# KiCad board BeavisUltrasoundPnp.kicad_pcb (continued)
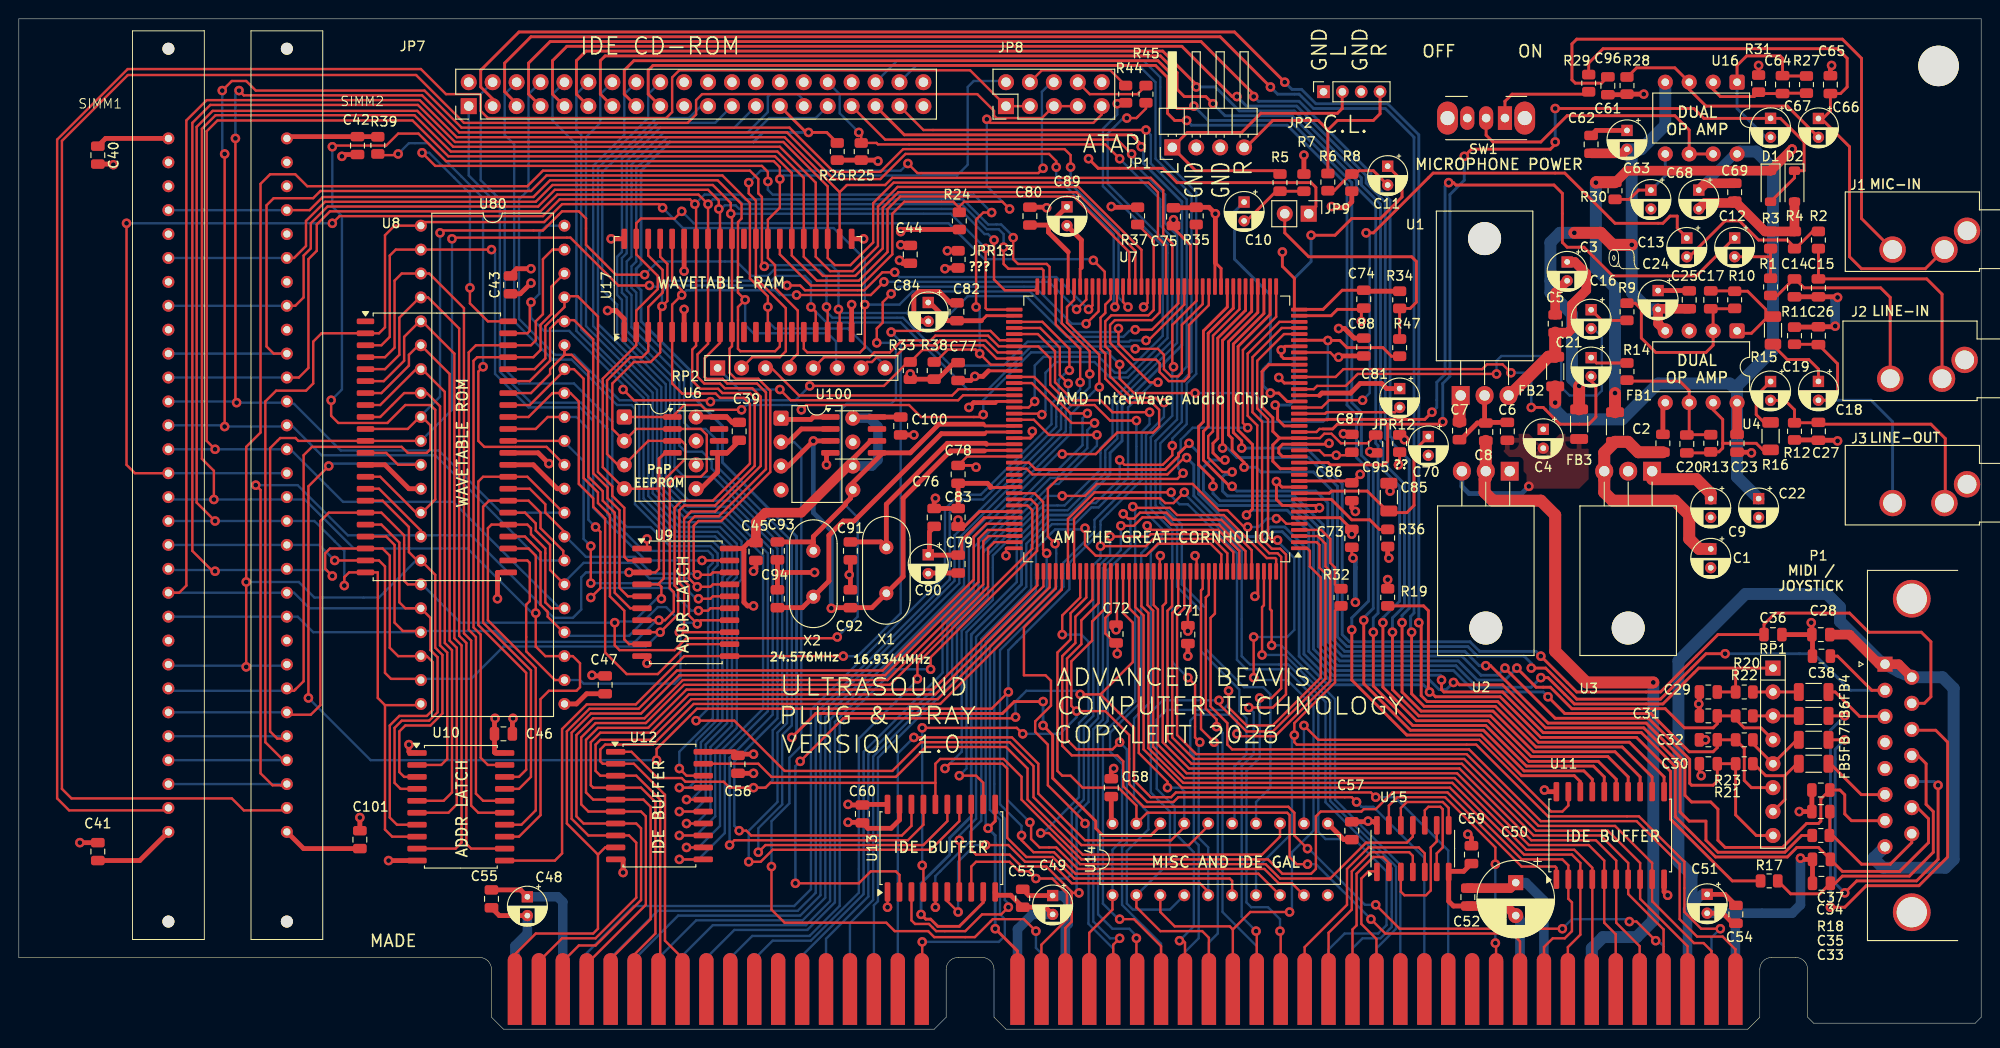
[diagram p0: board, top side]
## Routing (per net, layer and track width the routed paths; a pad name or vN(x,y) marks a point on that pad's centre or on a via; arc(x,y) is an arc through that point) (continued)
/LMA18: length 74.5
  Top w0.254: U8.3 38.48,72.64 39.37,73.53 39.37,82.17 40,82.8 v1(50.17,82.8) ; U9.19 v1(72.52,49.78)
  Bottom w0.254: v1(72.52,49.78) 66.55,49.78 60.96,55.37 60.96,64.63 59.55,66.04 54.1,66.04 50.55,69.6 50.55,82.42 v1(50.17,82.8)
/MA0: length 204.4
  Top w0.254: U17.16 83.31,72.26 83.69,71.88 89.28,71.88 89.79,72.39 v1(89.79,76.96) ; 28.45,28.32 28.32,28.32 26.16,30.48 26.16,66.67 27.3,67.82 30.48,67.82 31.24,68.58 31.24,73.02 32.13,73.91 U8.2 38.23,73.91 38.86,74.55 38.86,84.33 39.88,85.34 U80.1 43.05,85.72 55.75,85.72 57.66,87.63 67.94,87.63 v1(68.33,87.25) ; U7.52 126.3,76.9 124.21,74.8 124.21,69.34 123.7,68.83 122.05,68.83 121.08,69.8 121.08,70.74 120.7,71.12 118.36,71.12 116.71,72.77 v1(116.71,74.42)
  Bottom w0.254: v1(68.33,87.25) 70.48,85.09 86.49,85.09 89.79,81.79 v1(89.79,76.96) 93.47,76.96 94.87,78.36 107.32,78.36 111.63,74.04 116.33,74.04 v1(116.71,74.42) ; SIMM1.4 SIMM2.4
/MA1: length 188.1
  Top w0.254: v1(84.07,76.71) 84.58,76.2 U17.17 ; 42.67,62.61 42.55,62.48 U8.11 29.67,62.48 29.36,62.79 27.74,62.79 26.67,61.72 26.67,31.62 27.43,30.86 28.45,30.86 ; v1(66.93,78.99) 63.63,78.99 58.55,84.07 46.1,84.07 v1(45.97,83.95) ; v1(118.49,72.26) 120.9,72.26 121.54,71.63 121.54,70.1 122.3,69.34 123.06,69.34 123.44,69.72 123.44,74.8 125.65,77.01 U7.53
  Bottom w0.254: v1(66.93,78.99) 67.06,78.87 67.94,78.87 68.58,79.5 79.88,79.5 80.39,80.01 83.44,80.01 84.07,79.38 v1(84.07,76.71) 85.72,75.06 93.6,75.06 100.71,67.94 102.86,67.94 107.43,72.52 118.24,72.52 v1(118.49,72.26) ; SIMM2.5 SIMM1.5 ; 42.67,62.61 42.8,62.61 45.97,65.79 v1(45.97,83.95)
/MA2: length 183.4
  Top w0.254: U17.18 85.85,76.58 v1(85.72,76.71) ; 28.45,35.94 29.21,35.94 29.4,36.13 ; U7.56 123.7,76.97 119.89,73.15 v1(119.63,73.15) ; 29.4,36.13 30.23,36.96 30.23,60.96 31.11,61.85 40.64,61.85 41.28,61.21 43.31,61.21 43.69,61.59 43.69,64.13 42.67,65.15 41.28,63.75 U8.10 ; 29.4,36.13 29.34,36.07 ; v1(44.7,84.58) 44.96,84.84 55.63,84.84 57.66,86.87 59.44,86.87 60.2,86.11 60.2,83.31 63.37,80.14 v1(66.42,80.14)
  Bottom w0.254: SIMM1.7 16.13,35.94 28.45,35.94 ; v1(66.42,80.14) 67.82,81.53 76.2,81.53 77.72,80.01 79.5,80.01 80.14,80.64 84.96,80.64 85.72,79.88 v1(85.72,76.71) 85.72,76.2 86.36,75.56 93.85,75.56 98.93,70.48 104.52,70.48 107.06,73.02 117.86,73.02 117.98,73.15 v1(119.63,73.15) ; v1(44.7,84.58) 44.7,67.18 42.67,65.15
/MA3: length 247.4
  Top w0.254: U17.19 87.12,76.33 v1(87,76.45) ; U8.16 38.61,56.13 41.4,53.34 41.4,50.67 42.48,49.59 ; 42.48,49.59 42.67,49.4 43.05,49.4 44.2,48.26 44.2,40.51 44.96,39.75 44.96,33.53 43.69,32.26 41.02,32.26 40.39,31.62 40.39,27.3 40.89,26.8 U10.3 ; 42.48,49.59 U80.15 ; v1(79.12,81.03) 78.87,81.28 78.87,88.39 78.49,88.77 78.49,90.3 77.6,91.19 55.63,91.19 53.97,89.53 30.61,89.53 29.34,90.8 26.67,90.8 25.65,89.79 25.65,63.37 24.13,61.85 v1(24.13,47.5) v1(24.13,38.48) ; U7.57 123.06,78.87 123.06,77.09 120.27,74.29 v1(118.49,74.29)
  Bottom w0.254: 28.45,38.48 28.32,38.61 24.26,38.61 v1(24.13,38.48) 24,38.61 16,38.61 SIMM1.8 ; v1(118.49,74.29) 118.36,74.17 117.86,74.17 117.22,73.53 111.25,73.53 106.93,77.85 100.71,77.85 97.08,74.22 96.09,74.22 94.23,76.07 87.38,76.07 v1(87,76.45) 87,80.39 86.23,81.15 79.25,81.15 v1(79.12,81.03) ; U80.15 42.16,49.78 38.23,45.85 31.37,45.85 29.72,47.5 v1(24.13,47.5)
/MA4: length 243.8
  Top w0.254: 87.12,88.9 87.88,89.66 91.95,89.66 92.71,90.42 120.14,90.42 121.46,89.1 121.46,84.4 122.43,83.44 122.43,78.9 U7.58 ; 87.12,88.9 U17.22 ; 87.12,88.9 81.28,94.74 46.48,94.74 42.55,98.68 19.94,98.68 17.78,96.52 17.78,47.12 17.02,46.35 15.62,46.35 ; U8.18 38.48,53.59 40.39,51.69 40.39,45.34 41.02,44.7 U80.17 43.69,43.69 43.69,40.26 44.45,39.5 44.44,39.49 44.44,33.66 43.55,32.77 40.64,32.77 39.88,32 39.88,26.16 40.51,25.53 U10.4
  Bottom w0.254: U80.17 30.86,44.7 29.21,46.35 15.62,46.35
/MA5: length 246.7
  Top w0.254: U10.7 40.13,21.72 39.37,22.48 39.37,32.26 40.39,33.27 43.31,33.27 43.94,33.91 43.94,38.99 43.31,39.62 40.26,39.62 39.37,40.51 39.37,50.29 38.61,51.05 U8.20 33.02,51.05 32.51,50.55 32.51,48.89 v1(33.27,48.13) ; v1(20.83,48.64) 20.57,48.64 18.41,50.8 18.41,96.27 20.32,98.17 42.35,98.17 46.29,94.23 81.14,94.23 85.85,89.52 U17.23 85.85,81.91 86.61,81.15 88.27,81.15 90.68,83.57 90.68,87.75 92.85,89.92 119.89,89.92 120.9,88.9 120.9,84.07 121.75,83.23 U7.59
  Bottom w0.254: SIMM1.12 16,48.77 20.7,48.77 v1(20.83,48.64) 20.95,48.77 32.64,48.77 v1(33.27,48.13)
/MA6: length 231.6
  Top w0.254: 38.86,34.42 42.67,34.42 ; 38.86,34.42 38.1,35.18 38.1,48.51 U8.22 35.05,48.51 34.54,48.01 v1(34.54,47.12) ; 38.86,34.42 38.86,21.21 39.62,20.45 U10.8 ; v1(20.83,53.97) 18.87,55.93 18.87,95.83 20.57,97.54 42.29,97.54 46.1,93.73 80.77,93.73 84.58,89.92 U17.24 84.58,82.04 86.11,80.52 88.52,80.52 91.19,83.18 91.19,87.38 93.27,89.46 112.47,89.46 119.15,82.78 U7.63
  Bottom w0.254: v1(34.54,47.12) 34.54,50.8 31.37,53.97 v1(20.83,53.97) SIMM1.14
/MA7: length 250.9
  Top w0.254: U10.13 53.09,20.45 55.37,22.73 55.37,35.05 56.26,35.94 59.18,35.94 59.56,36.32 59.56,38.86 58.8,39.62 55.88,39.62 54.86,40.64 v1(54.86,44.2) 54.86,50.29 54.1,51.05 U8.25 ; U7.64 118.5,82.67 112.27,88.9 93.36,88.9 91.69,87.24 91.69,82.93 88.77,80.01 85.34,80.01 83.31,82.04 U17.25 83.31,90.42 80.52,93.22 45.85,93.22 41.99,97.08 20.88,97.08 19.43,95.63 19.43,60.58 20.7,59.31 v1(20.7,56.26)
  Bottom w0.254: v1(54.86,44.2) 54.48,44.2 47.62,51.05 35.56,51.05 30.35,56.26 v1(20.7,56.26) 16.13,56.26 SIMM1.15
/MA8: length 257.7
  Top w0.254: U10.14 53.34,21.72 54.86,23.24 54.86,38.35 49.78,43.43 49.78,53.21 50.17,53.59 U8.27 53.97,53.59 54.36,53.21 54.36,52.58 55.88,51.05 55.88,45.34 56.52,44.7 57.78,44.7 ; v1(20.83,61.59) 19.94,62.48 19.94,95.38 21.08,96.52 41.78,96.52 45.59,92.71 80.26,92.71 82.04,90.93 U17.26 82.04,82.17 84.71,79.5 89.15,79.5 92.2,82.55 92.2,87.1 93.55,88.44 111.96,88.44 117.85,82.55 U7.65
  Bottom w0.254: 57.78,44.7 57.4,44.7 46.1,56.01 34.42,56.01 28.83,61.59 SIMM2.17 v1(20.83,61.59) SIMM1.17
/MA9: length 247.2
  Top w0.254: U10.17 53.09,25.53 54.36,26.8 54.36,38.1 49.28,43.18 49.28,55.5 49.91,56.13 U8.29 54.1,56.13 55.37,54.86 55.37,53.21 57.78,50.8 57.78,49.78 ; U7.66 117.2,77.23 v1(117.73,76.71) ; v1(111.63,91.57) 111.63,92.84 111,93.47 93.85,93.47 91.44,91.06 86.49,91.06 81.79,95.76 46.99,95.76 43.05,99.69 25.15,99.69 24.13,100.71 22.61,100.71 v1(21.59,99.69) ; v1(21.84,92.96) v1(21.84,64.01)
  Bottom w0.254: v1(21.84,92.96) 21.59,93.22 v1(21.59,99.69) ; 57.78,49.78 55.37,49.78 44.2,60.96 32.13,60.96 29.08,64.01 v1(21.84,64.01) ; v1(117.73,76.71) 116.71,77.72 116.71,84.71 111.63,89.79 v1(111.63,91.57) ; SIMM1.18 21.59,64.13
/MA10: length 238.7
  Top w0.254: 57.78,54.86 53.97,58.67 U8.31 49.28,58.67 48.77,58.17 48.77,42.93 53.85,37.85 53.85,27.56 53.09,26.8 U10.18 ; v1(23.37,99.69) 23.88,99.19 42.8,99.19 46.74,95.25 81.53,95.25 86.49,90.3 91.44,90.3 94.11,92.96 109.35,92.96 110.11,92.2 v1(110.11,91.57) ; v1(22.99,94.61) 22.99,66.67 v1(23.11,66.55) ; v1(116.33,76.71) 116.55,76.93 U7.67
  Bottom w0.254: v1(110.11,91.57) 110.11,90.55 116.2,84.45 116.2,76.83 v1(116.33,76.71) ; v1(22.99,94.61) 22.99,99.31 v1(23.37,99.69) ; 57.78,54.86 51.18,54.86 44.58,61.47 34.16,61.47 29.21,66.42 28.45,66.42 28.32,66.55 v1(23.11,66.55) 22.99,66.67 SIMM1.19
/MIC: length 108.7
  Top w0.254: 138.43,63.75 138.05,63.75 137.72,63.43 U7.20
  Top w0.305: 145.29,64.26 139.95,64.26 139.45,63.75 138.43,63.75 ; 145.29,64.26 145.29,60.32 144.91,59.94 139.19,59.94 138.96,60.18 U7.15 ; 145.29,64.26 150.88,64.26 v1(151.13,64.52) ; D1.2 188.47,90.42 D2.1 189.48,91.18 189.48,94.23 186.98,96.74 C67.1 178.85,96.74 177.8,97.79 v1(163.07,97.79) ; v1(153.42,92.71) 154.18,93.47 162.56,93.47 163.07,93.98 v1(163.07,94.23)
  Bottom w0.305: v1(153.42,92.71) 153.42,90.17 151.89,88.65 151.89,69.34 151.13,68.58 v1(151.13,64.52) ; v1(163.07,97.79) v1(163.07,94.23)
/MIDI_IN: length 120
  Top w0.254: 107.95,59.44 107.21,60.18 U7.106
  Top w0.305: v1(124.21,62.23) 123.09,61.11 123.09,60.86 121.67,59.44 107.95,59.44 ; R18.1 189.23,20.57 187.45,18.8 180.34,18.8 179.07,20.07 179.07,22.1 177.29,22.1 176.33,23.06 176.33,28.14 172.47,32 162.05,32 157.48,36.58 152.91,36.58 152.65,36.83 v1(152.27,36.83)
  Bottom w0.305: v1(124.21,62.23) 125.22,61.21 125.22,56.85 129.75,52.32 131.83,52.32 132.84,53.34 134.37,53.34 136.4,51.31 136.4,39.83 139.15,37.08 149.73,37.08 150.75,36.07 151.51,36.07 v1(152.27,36.83)
/MIDI_OUT: length 124.6
  Top w0.254: U7.107 106.97,59.53 107.57,58.93 121.92,58.93 123.7,60.71 v1(123.95,60.71)
  Top w0.305: R17.1 181.86,15.75 175.31,22.3 175.31,27.38 171.7,30.99 161.54,30.99 157.23,35.31 150.37,35.31 149.86,35.81 v1(149.73,35.81) 149.73,35.94 149.61,36.07 149.61,44.45 149.1,44.96 R19.2
  Bottom w0.305: v1(123.95,60.71) 124.71,59.94 124.71,56.64 129.54,51.82 132.08,51.82 133.1,52.83 134.11,52.83 135.89,51.05 135.89,39.62 138.94,36.58 149.1,36.58 149.73,35.94 v1(149.73,35.81)
/OSC1: length 32.6
  Top w0.305: U7.100 102.55,64.08 102.36,64.26
  Top w0.508: 102.36,64.26 97.66,64.26 94.61,61.21 91.69,61.21 88.27,57.78 88.27,56.39 87.76,55.88 87.76,55.75 84.33,52.32 84.33,51.69 ; 84.33,51.69 X2.2 ; 84.33,51.69 84.27,51.75 C93.1
/OSC2: length 56.1
  Top w0.305: 105.65,61.48 102.5,61.48 102.49,61.47
  Top w0.508: U100.3 81.66,59.82 v1(84.33,62.48) U101.3 ; v1(86.23,44.7) 86.3,44.77 C92.1 90.54,44.77 X1.1 93.85,48.08 93.85,56.39 98.88,61.42 102.5,61.42
  Bottom w0.508: v1(86.23,44.7) 86.23,52.96 84.33,54.86 v1(84.33,62.48)
/OSC_14M318: length 95.9
  Top w0.254: v1(79.88,17.27) 79.88,12.7 81.28,11.3 92.08,11.3 92.96,10.41 96.52,10.41 97.15,9.78 101.47,9.78 103.38,11.68 106.68,11.68 v1(107.95,10.41)
  Top w0.508: U100.2 81.66,62.36 83.06,63.75 U101.2
  Bottom w0.254: J4.B30 108.53,8.05 107.95,8.64 v1(107.95,10.41) ; U100.2 82.3,62.36 83.06,61.59 83.06,30.1 81.79,28.83 81.79,23.99 79.88,22.09 v1(79.88,17.27)
/RA20: length 76.2
  Top w0.254: U8.43 53.97,73.91 54.23,74.17 54.23,77.09 v1(54.36,77.22) ; v1(73.41,66.65) 73.25,66.8 65.28,66.8 v1(64.14,67.94) ; U7.89 103.78,71.23 102.36,72.64 97.92,72.64 97.41,72.14 95.89,72.14 R33.2 94.36,70.87 91.82,68.33 v1(83.95,68.33)
  Bottom w0.254: v1(64.14,67.94) 64.14,68.45 58.42,74.17 55.75,74.17 54.36,75.56 v1(54.36,77.22) 55.25,78.1 55.25,84.58 56.01,85.34 U80.42 ; v1(83.95,68.33) 82.42,66.8 73.56,66.8 v1(73.41,66.65)
/RA21: length 113.7
  Top w0.254: v1(42.8,93.09) 44.2,91.69 78.87,91.69 79.5,91.06 v1(79.5,90.04) ; U7.90 103.16,70.58 v1(101.98,71.75) 101.55,72.19 98.6,72.19 97.28,70.87 R38.2 ; v1(101.6,76.71) 101.6,85.98 102.36,86.74 v1(103.25,86.74) ; v1(47.88,78.74) 47.88,77.09 49.78,75.18 U8.44
  Bottom w0.254: v1(101.6,76.71) 101.98,76.33 v1(101.98,71.75) ; v1(42.8,93.09) 43.56,93.09 47.88,88.77 v1(47.88,78.74) ; v1(79.5,90.04) 79.5,89.15 80.01,88.65 101.35,88.65 v1(103.25,86.74)
/RD0: length 212.5
  Top w0.254: v1(25.15,57.78) 25.65,57.28 25.65,27.18 26.92,25.91 27.81,25.91 ; 28.45,25.78 28.32,25.91 27.81,25.91 ; U7.69 115.25,80.45 v1(114.05,81.66) ; v1(70.36,86.87) 69.6,86.11 66.04,86.11 65.53,85.6 U17.39 65.53,82.3 67.82,80.01 67.82,78.61 65.53,76.33 U17.2 65.53,72.64 61.98,69.09 61.98,59.69 U6.4 67.94,57.4 67.94,48.89 67.56,48.51 U9.3 v1(64.77,48.51) ; 27.81,25.91 28.45,25.91 ; U8.15 38.23,57.4 42.67,52.96 42.67,52.45
  Top w0.305: 67.94,57.4 67.94,60.58 68.58,61.21 U60.4
  Bottom w0.254: v1(25.15,57.78) 29.59,57.78 34.92,52.45 48.01,52.45 56.77,43.69 58.8,43.69 59.69,44.58 59.69,48.01 60.2,48.51 v1(64.77,48.51) ; v1(70.36,86.87) 71.63,85.6 98.68,85.6 102.49,81.79 113.92,81.79 v1(114.05,81.66) ; SIMM2.3 SIMM1.3
/RD1: length 237.3
  Top w0.254: v1(86.87,41.66) 86.74,41.53 70.87,41.53 69.6,40.26 63.75,40.26 63.25,40.77 v1(63.25,43.18) ; v1(91.06,72.9) 91.06,74.42 91.69,75.06 91.69,77.22 v1(92.58,78.1) ; U80.16 41.28,47.24 40.89,47.62 40.89,52.45 38.48,54.86 U8.17 32.89,54.86 32,53.97 32,34.42 30.99,33.4 28.45,33.4 ; 67.82,47.24 67.94,47.24 68.2,46.99 v1(68.2,45.72) 68.2,45.59 ; 67.82,47.24 68.45,47.88 68.45,58.29 70.74,60.58 70.74,62.1 70.36,62.48 66.8,62.48 U6.3 63.58,59.94 62.43,61.09 62.43,68.9 64.91,71.37 66.17,71.37 66.8,72.01 U17.3 66.8,76.71 68.33,78.23 68.33,80.64 66.8,82.17 U17.38 ; 67.82,47.24 U9.4 ; v1(113.28,74.93) 114.6,76.25 U7.70
  Bottom w0.254: v1(86.87,41.66) 89.03,43.81 89.03,54.36 87.25,56.13 87.25,65.79 87.88,66.42 92.58,66.42 93.09,66.93 93.09,72.39 92.58,72.9 v1(91.06,72.9) ; U80.16 42.8,47.24 46.86,43.18 v1(63.25,43.18) 63.37,43.31 65.28,43.31 67.69,45.72 v1(68.2,45.72) ; v1(92.58,78.1) 93.35,78.87 107.82,78.87 111.76,74.93 v1(113.28,74.93) ; SIMM1.6 SIMM2.6
/RD2: length 182.6
  Top w0.254: v1(92.96,80.39) 91.65,80.39 89.75,78.49 83.44,78.49 82.93,78.99 v1(81.53,78.99) ; 42.67,42.29 40.77,42.29 39.88,43.18 39.88,51.43 38.99,52.32 U8.19 ; U9.7 v1(67.94,43.43) 68.58,43.43 69.52,44.37 69.52,46.43 69.09,46.86 69.09,58.04 69.72,58.67 72.39,58.67 73.02,59.3 73.02,63.13 72.39,63.75 65.53,63.75 U6.2 62.99,63.75 62.99,68.58 65.28,70.87 67.06,70.87 68.07,71.88 U17.4 68.07,76.58 v1(68.26,76.77) 68.83,77.34 68.83,81.28 68.07,82.04 U17.37 ; U7.71 113.95,76.87 v1(113.54,76.45)
  Bottom w0.254: v1(81.53,78.99) 68.96,78.99 68.26,78.3 v1(68.26,76.77) ; v1(113.54,76.45) 110.11,79.88 93.47,79.88 v1(92.96,80.39) ; U80.18 31.24,42.16 29.59,43.81 SIMM2.10 SIMM1.10 ; v1(67.94,43.43) 67.69,43.43 65.41,41.15 51.69,41.15 50.55,42.29 42.67,42.29
/RD3: length 171.6
  Top w0.254: U17.36 69.34,79.5 70.36,78.49 v1(70.36,77.98) 69.34,76.96 U17.5 69.34,68.58 70.41,67.51 73.96,67.51 74.42,67.06 76.96,67.06 77.6,66.42 77.6,60.07 73.66,56.13 70.36,56.13 69.6,55.37 69.6,47.12 69.98,46.74 69.98,44.07 v1(68.07,42.16) U9.8 ; U7.72 113.3,77.49 v1(112.27,76.45) ; v1(33.53,49.78) U8.21 38.23,49.78 38.86,49.15 38.86,37.85 39.5,37.21 42.67,37.21 ; v1(91.82,79.38) 90.42,77.98 v1(82.55,77.98)
  Bottom w0.254: v1(33.53,49.78) 31.88,51.43 15.75,51.43 ; v1(91.82,79.38) 109.35,79.38 v1(112.27,76.45) ; v1(82.55,77.98) 80.77,77.98 80.26,78.49 70.87,78.49 v1(70.36,77.98) ; v1(68.07,42.16) 66.55,40.64 51.44,40.64 48.01,37.21 42.67,37.21
/RD4: length 246.7
  Top w0.254: 71.88,87.5 v1(71.75,87.63) 71.25,88.14 57.4,88.14 55.63,86.36 34.04,86.36 v1(33.27,85.6) ; 71.88,87.5 U17.34 U17.7 71.88,72.59 71.48,72.19 71.48,68.88 72.34,68.02 74.22,68.02 74.68,67.56 77.6,67.56 78.11,67.06 78.11,59.83 73.9,55.63 70.61,55.63 70.1,55.12 70.1,47.37 70.61,46.86 70.61,42.67 v1(70.1,42.16) U9.13 ; 71.88,87.5 72.01,87.63 ; v1(11.43,85.6) 11.43,59.94 12.32,59.05 SIMM1.16 ; 57.78,37.08 56.9,37.08 53.85,40.13 53.85,45.08 54.23,45.47 54.23,49.53 53.97,49.78 U8.24 ; U7.78 109.4,80.97 109.09,81.28 106.05,81.28 105.54,81.79 v1(105.54,84.07)
  Bottom w0.254: SIMM2.16 SIMM1.16 ; v1(70.1,42.16) 70.23,42.04 70.23,37.34 69.6,36.7 59.94,36.7 59.56,37.08 57.78,37.08 ; v1(71.75,87.63) 72.77,88.65 76.58,88.65 77.09,88.14 100.21,88.14 102.88,85.47 104.27,85.47 105.54,84.2 v1(105.54,84.07) ; v1(33.27,85.6) v1(11.43,85.6)
/RD5: length 206.2
  Top w0.254: 57.78,42.16 56.13,43.81 56.13,44.32 55.37,45.08 55.37,50.67 53.72,52.32 U8.26 ; U7.79 108.75,80.6 108.58,80.77 105.03,80.77 104.52,81.28 v1(104.52,83.06) ; SIMM2.20 29.72,69.21 30.73,70.23 30.73,81.79 31.62,82.68 31.62,85.47 33.02,86.87 55.37,86.87 57.15,88.65 72.14,88.65 v1(73.15,87.63) U17.33 U17.8 73.15,72.8 72.03,71.68 72.03,69.29 72.75,68.58 74.42,68.58 74.93,68.07 77.85,68.07 78.74,67.18 78.74,59.82 73.91,54.99 71.37,54.99 70.61,54.23 70.61,47.62 71.12,47.12 71.12,43.94 v1(72.01,43.05) 72.39,43.43 U9.14
  Bottom w0.254: SIMM2.20 SIMM1.20 ; v1(73.15,87.63) 73.66,88.14 76.33,88.14 76.83,87.63 100.08,87.63 102.74,84.96 104.01,84.96 104.52,84.45 v1(104.52,83.06) ; v1(72.01,43.05) 71.88,43.18 70.36,43.18 68.71,44.83 67.82,44.83 64.77,41.78 58.17,41.78 57.78,42.16
/RD6: length 191.7
  Top w0.254: U7.80 108.1,78.76 107.82,78.49 104.65,78.49 103.51,79.63 v1(103.51,83.82) ; 57.78,47.37 56.39,48.77 56.39,51.43 54.86,52.96 54.86,53.72 53.72,54.86 U8.28 ; SIMM2.23 29.34,76.83 30.23,77.72 30.23,82.17 30.99,82.93 30.99,85.6 32.77,87.38 55.12,87.38 56.9,89.15 73.15,89.15 74.3,88.01 v1(74.3,87.12) 74.42,86.99 U17.32 U17.9 74.42,72.9 72.8,71.27 72.8,69.27 72.99,69.08 74.69,69.08 75.18,68.58 78.35,68.58 79.3,67.63 79.3,59.49 74.3,54.48 71.75,54.48 71.12,53.85 71.12,47.88 v1(72.01,46.99) 73.41,46.99 73.66,47.24 U9.17
  Bottom w0.254: SIMM1.23 SIMM2.23 ; v1(74.3,87.12) 74.55,87.12 74.93,87.5 76.07,87.5 76.45,87.12 99.82,87.12 102.49,84.45 102.87,84.45 v1(103.51,83.82) ; v1(72.01,46.99) 71.12,47.88 66.93,47.88 65.28,49.53 59.94,49.53 57.78,47.37
/RD7: length 179.2
  Top w0.254: U7.81 102.77,76.43 102.62,76.58 v1(102.62,82.93) ; 57.91,52.45 57.91,52.83 55.88,54.86 55.88,55.75 54.23,57.4 U8.30 ; SIMM2.25 29.21,81.91 30.48,83.18 30.48,85.85 32.51,87.88 54.86,87.88 56.64,89.66 73.66,89.66 75.56,87.76 v1(75.56,86.61) 75.69,86.49 U17.31 U17.10 75.69,72.54 75.44,72.29 75.44,69.72 76.07,69.09 78.49,69.09 79.76,67.82 79.76,59.18 74.55,53.97 72.14,53.97 71.63,53.47 71.63,48.64 v1(72.01,48.26) 73.41,48.26 73.66,48.51 U9.18
  Bottom w0.254: v1(102.62,82.93) 98.93,86.61 v1(75.56,86.61) ; SIMM2.25 SIMM1.25 ; v1(72.01,48.26) 71.88,48.39 67.18,48.39 65.41,50.16 60.2,50.16 57.91,52.45
/RST: length 9.4
  Top w0.254: U7.4 138.23,53.03 139.19,52.07 139.19,49.53 139.7,49.02 139.7,47.24 140.16,46.78 140.21,46.78
/TC: length 53.1
  Top w0.254: U7.125 110.7,46.69 106.68,42.67 106.68,37.59 108.97,37.59 109.55,37.01 109.55,34.37 107.87,32.69 107.87,31.57 109.22,30.23 109.22,25.91 113.16,21.97 v1(113.16,21.84)
  Bottom w0.254: v1(113.16,21.84) 113.28,21.84 113.53,21.6 113.53,11.19 116.15,8.56 J4.B27
/X1: length 107
  Top w0.305: 182.12,38.35 178.31,38.35 174.5,34.54 165.1,34.54 162.31,37.34 v1(161.54,37.34) ; 182.12,38.35 RP1.1 ; 182.12,38.35 182.22,38.25 R20.1 C29.2 ; U7.49 128.27,78.86 128.27,76.71 125.73,74.17 125.73,64.52 125.22,64.01 125.22,59.94 126.75,58.42 v1(126.75,57.66)
  Bottom w0.305: v1(161.54,37.34) 160.53,36.32 154.81,36.32 152.53,38.61 139.95,38.61 137.92,40.64 137.92,53.34 135.13,56.13 127.51,56.13 126.75,56.9 v1(126.75,57.66)
/X2: length 105.1
  Top w0.254: v1(128.78,59.18) 127.76,59.18 126.24,60.71 126.24,62.99 126.75,63.5 126.75,73.66 129.55,76.47 U7.47
  Top w0.305: RP1.4 184.91,32 183.13,32 182.22,32.92 R22.1 C31.2 180.27,32.45 179.83,32 176.78,32 174.75,34.04 164.85,34.04 162.56,36.32 161.04,36.32 v1(159,38.35)
  Bottom w0.305: v1(128.78,59.18) 128.52,58.93 128.02,58.93 127.76,58.67 127.76,57.15 128.27,56.64 135.38,56.64 138.43,53.59 138.43,40.89 140.21,39.12 152.78,39.12 154.81,37.08 157.73,37.08 v1(159,38.35)
/Y1: length 113.6
  Top w0.305: v1(128.78,57.66) 128.52,57.66 125.73,60.45 125.73,63.5 126.24,64.01 126.24,73.91 128.9,76.58 U7.48 ; v1(157.73,38.35) 163.07,33.02 172.97,33.02 177.34,28.65 177.34,26.11 177.55,25.91 179.83,25.91 180.27,26.35 C30.2 R21.1 182.22,22.76 184.4,20.57 RP1.8
  Bottom w0.305: v1(157.73,38.35) 156.97,37.59 155.19,37.59 153.16,39.62 140.46,39.62 138.94,41.15 138.94,55.88 137.67,57.15 129.29,57.15 v1(128.78,57.66)
/Y2: length 110.3
  Top w0.305: v1(162.31,35.31) 164.08,33.53 173.23,33.53 177.29,29.46 179.83,29.46 180.27,29.91 C32.2 R23.1 183.13,29.82 183.13,26.42 183.9,25.65 RP1.6 ; U7.46 130.2,76.35 127.25,73.41 127.25,62.74 126.75,62.23 126.75,61.21 127.51,60.45 v1(128.02,60.45)
  Bottom w0.305: v1(128.02,60.45) 126.49,60.45 125.73,59.69 125.73,57.15 127.25,55.63 134.87,55.63 137.41,53.09 137.41,40.39 139.7,38.1 152.27,38.1 154.56,35.81 161.8,35.81 v1(162.31,35.31)
/~{BKSEL0R}: length 167.2
  Top w0.254: v1(33.27,93.73) 33.4,93.85 38.99,93.85 40.26,95.12 42.42,95.12 45.34,92.2 80.13,92.2 80.77,91.56 80.77,87.25 79.5,85.98 U17.28 79.5,81.91 80.26,81.15 80.26,78.74 82.68,76.33 82.68,71.75 81.79,70.87 RP2.4 ; v1(33.15,66.8) 33.15,65.15 33.91,64.39 39.12,64.39 41.02,66.29 43.69,66.29 44.2,65.79 44.2,56.26 42.8,54.86 U80.13 42.16,54.86 38.35,58.67 U8.14
  Bottom w0.254: v1(80.77,90.3) 81.15,90.68 99.57,90.68 100.71,91.82 100.71,100.08 101.35,100.71 104.65,100.71 JP8.2 ; v1(33.15,66.8) 34.29,67.94 34.29,86.36 33.27,87.38 v1(33.27,93.73)
/~{BKSEL0}: length 27.9
  Top w0.254: RP2.3 79.88,70.23 82.8,67.31 99.06,67.31 99.73,67.98 105.65,67.98
/~{BKSEL1R}: length 67.6
  Top w0.254: v1(108.71,91.44) 108.2,90.93 95.38,90.93 v1(94.36,91.95) ; RP2.2 77.85,71.37 80.77,71.37 81.41,72.01 81.41,76.58 78.23,79.76 U17.29 78.23,88.01 77.47,88.77 v1(77.47,89.92)
  Bottom w0.254: v1(94.36,91.95) 93.6,91.19 78.74,91.19 v1(77.47,89.92) ; JP8.6 109.6,100.58 108.58,99.57 108.58,91.57 v1(108.71,91.44)
/~{BKSEL1}: length 33.1
  Top w0.254: U7.95 100.22,67.33 99.7,66.8 81.92,66.8 v1(80.77,67.94)
  Bottom w0.254: RP2.1 76.45,67.94 v1(80.77,67.94)
/~{BKSEL2R}: length 11.4
  Top w0.254: 107.32,100.58 108.58,101.85 115.85,101.85 R44.1
/~{BKSEL2}: length 51.4
  Top w0.254: v1(116.59,98.3) 116.69,98.4 R44.2 ; U7.97 107.18,66.03 v1(107.82,66.67)
  Bottom w0.254: v1(116.59,98.3) 116.59,97.16 115.06,95.63 115.06,89.53 121.41,83.18 121.41,73.66 117.48,69.72 116.33,69.72 114.63,71.42 108.76,71.42 107.82,70.48 v1(107.82,66.67)
/~{BKSEL3R}: length 8.1
  Top w0.254: JP8.8 113.67,99.31 118.72,99.31 R45.1
/~{BKSEL3}: length 53.6
  Top w0.254: v1(108.58,65.28) 108.48,65.38 U7.98 ; v1(117.6,96.77) 118.62,96.77 119.63,97.79 R45.2
  Bottom w0.254: v1(117.6,96.77) 117.22,96.77 115.57,95.12 115.57,89.79 121.92,83.44 121.92,73.41 117.73,69.21 115.82,69.21 114.17,70.87 110.11,70.87 108.97,69.72 108.97,65.66 v1(108.58,65.28)
/~{BUF_ENH}: length 72
  Top w0.254: U14.13 133.86,20.45 131.95,18.54 112.91,18.54 107.06,24.4 107.06,27.69 104.77,29.97 96.27,29.97 93.09,26.8 79.88,26.8 78.49,28.19 U12.19
/~{BUF_EN}: length 44
  Top w0.254: v1(136.4,32.26) 137.92,30.73 155.02,30.73 162.64,23.11 163.83,23.11 164.46,23.75 164.46,25.22
  Bottom w0.254: U14.12 v1(136.4,32.26)
/~{BUT1}: length 120.4
  Top w0.305: P1.2 196.67,35.99 193.04,39.62 C38.2 ; v1(181.1,39.88) 179.07,39.88 174.24,35.05 165.35,35.05 162.05,38.35 v1(160.53,38.35) ; v1(127.76,61.72) 127.76,73.15 130.85,76.24 U7.45
  Bottom w0.305: v1(181.1,39.88) 190.5,39.88 194.38,35.99 P1.2 ; v1(160.53,38.35) 160.53,38.86 159.77,39.62 154.81,39.62 153.8,40.64 140.97,40.64 139.95,41.66 139.95,57.66 136.91,60.71 129.29,60.71 128.27,61.72 v1(127.76,61.72)
/~{BUT2}: length 125.6
  Top w0.305: P1.7 194.52,22.14 193.8,22.86 193.8,24.89 193.29,25.4 C37.2 191.26,24.45 191.26,22.1 191.01,21.84 189.74,21.84 187.2,19.3 181.1,19.3 180.34,20.07 180.34,23.37 179.58,24.13 177.55,24.13 176.83,24.84 176.83,28.4 172.72,32.51 162.31,32.51 156.21,38.61 v1(155.7,38.61) ; v1(130.05,59.69) 130.05,60.2 128.78,61.47 128.78,62.74 128.4,63.12 128.4,73.02 131.5,76.13 U7.44
  Bottom w0.305: v1(155.7,38.61) 155,38.61 153.48,40.13 140.72,40.13 139.45,41.4 139.45,57.15 137.41,59.18 131.83,59.18 131.32,59.69 v1(130.05,59.69)
/~{BUT3}: length 125.7
  Top w0.305: U7.43 132.15,76.02 128.9,72.77 128.9,63.37 129.79,62.48 v1(129.79,61.72) ; v1(161.54,39.62) 165.35,35.81 174.24,35.81 180.34,41.91 C36.2 185.23,42.99 186.44,44.2 194.31,44.2 196.34,42.16 201.93,42.16 202.95,41.15 202.95,35.31 202.25,34.61 P1.10
  Bottom w0.305: v1(129.79,61.72) 136.65,61.72 140.46,57.91 140.46,41.91 141.22,41.15 154.03,41.15 155.05,40.13 161.04,40.13 v1(161.54,39.62)
/~{BUT4}: length 133.3
  Top w0.305: v1(130.3,54.61) 130.94,55.24 130.94,62.1 129.41,63.63 129.41,72.52 132.8,75.91 U7.42 ; P1.14 201.51,23.53 202.69,22.35 202.69,19.81 199.64,16.76 193.55,16.76 C35.2 191.01,19.3 188.72,19.3 187.71,18.29 180.09,18.29 175.82,22.56 175.82,27.89 172.21,31.5 161.8,31.5 157.48,35.81 151.26,35.81 151,36.07 v1(151,37.08)
  Bottom w0.305: v1(151,37.08) 151,37.46 150.88,37.59 139.45,37.59 136.91,40.13 136.91,52.83 134.62,55.12 130.81,55.12 v1(130.3,54.61)
/~{DACK0}: length 68
  Top w0.254: v1(95.38,37.21) 95.38,38.85 107.57,51.04 107.57,55.12 107.06,55.63 U7.113
  Bottom w0.254: J4.D8 78.05,7.44 80.01,9.4 84.06,9.4 89.15,14.49 89.15,30.86 95.38,37.08 v1(95.38,37.21)
/~{DACK1}: length 86.3
  Top w0.254: U7.127 112,54.19 114.2,56.39 121.16,56.39 121.67,55.88 122.55,55.88 v1(123.7,57.02)
  Bottom w0.254: J4.B17 141.55,8.59 142.62,9.65 144.51,9.65 145.72,10.86 145.72,17.07 138.68,24.11 138.68,34.77 134.72,38.73 130.68,38.73 129.79,39.62 129.79,50.8 123.7,56.9 v1(123.7,57.02)
/~{DACK3}: length 51.1
  Top w0.254: U7.159 132.8,44.62 132.97,44.45 v1(132.97,40.77)
  Bottom w0.254: J4.B15 146.63,17.45 139.7,24.38 139.7,35.05 133.99,40.77 v1(132.97,40.77)
/~{DACK5}: length 108.5
  Top w0.254: U7.68 115.9,77.55 115.32,76.96 115.32,76.07 114.81,75.56 114.81,72.26 115.32,71.75 115.32,69.09 117.86,66.55 120.27,66.55 121.03,65.79 121.03,64.01 120.4,63.37 116.59,63.37 114.3,61.09 v1(110.74,61.09)
  Bottom w0.254: v1(110.74,61.09) 110.24,61.09 100.84,51.69 100.84,46.86 86.61,32.64 86.61,13.46 83.69,10.54 75.95,10.54 72.97,7.57 J4.D10
/~{DACK6}: length 101.8
  Top w0.254: U7.76 110.7,74.96 113.67,72 v1(113.67,69.6)
  Bottom w0.254: J4.D12 67.89,7.57 71.88,11.56 83.19,11.56 85.6,13.97 85.6,33.15 99.82,47.37 99.82,52.2 111.12,63.5 111.12,65.66 113.67,68.2 v1(113.67,69.6)
/~{DACK7}: length 104.7
  Top w0.254: 105.65,74.48 108.4,74.48 110.49,72.39 110.49,69.47 v1(111.38,68.58)
  Bottom w0.254: v1(111.38,68.58) 111.38,67.44 110.11,66.17 110.11,64.01 102.36,56.26 100.2,56.26 98.81,54.86 98.81,47.76 84.58,33.54 84.58,14.48 82.68,12.57 67.82,12.57 62.81,7.57 J4.D14
